# Altium PCB PCB6.PcbDoc (part 2 of 2)
Units mm, origin at the board's own origin, x right, y up, seen from the top; angles counter-clockwise.
Board outline 80 x 125 mm, 4 copper layers (Top Layer, Ground, Power, Bottom Layer), stack 0.603 mm thick; 118 components, 92 nets, 471 pads, 436 vias.
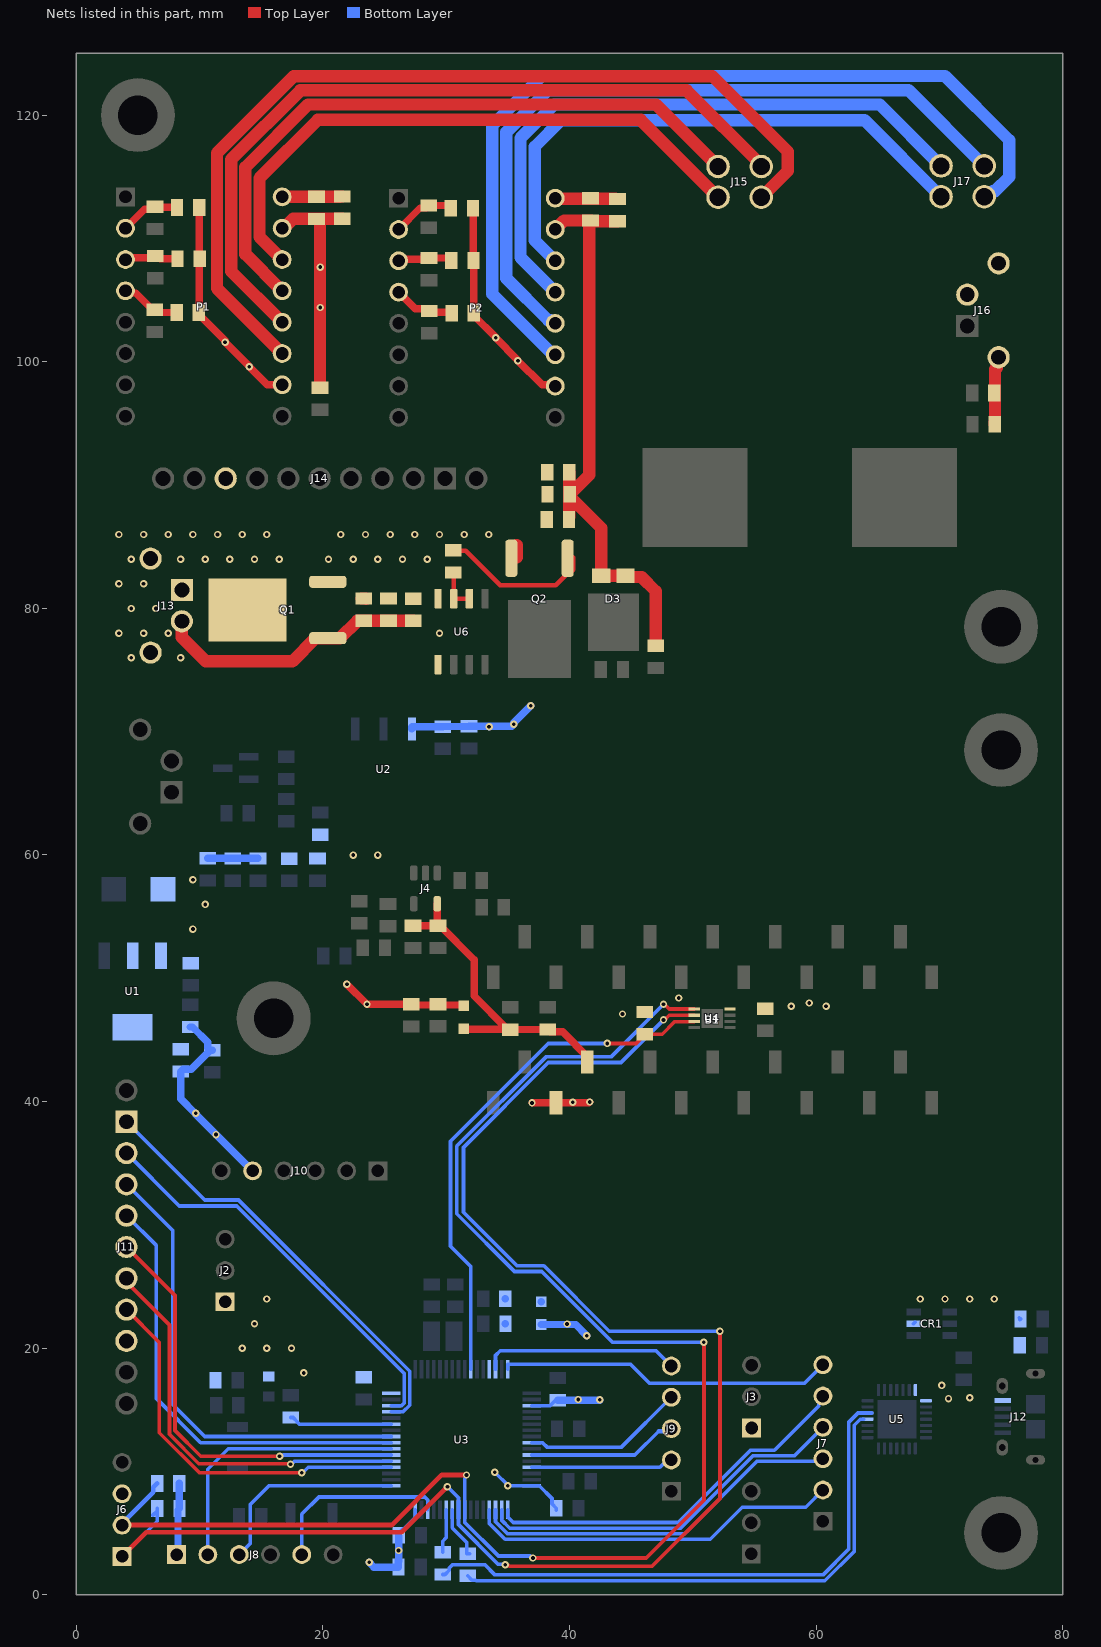
[diagram p4: the nets of this part, all layers, seen from the top]

## Via types
v1: diameter 0.6, hole 0.3, Top Layer to Bottom Layer, 436 vias

## Nets (pads, with @x,y where several pads share a name; then routed paths per layer and width w, separated by ;. In a path a pad name is that pad's centre, name@x,y a point inside that pad or via, vN(x,y) a via of type N, cw(c..) or ccw(c..) an arc to the next point about the centre after c; other vN are vias at no path point) (continued)
NetJ6_01: J6.01 R12.1 U3.41 U4.2 | length 129.4
  Top Layer w0.3: v1(34.798,2.413) 34.855,2.356 35.068,2.356 35.112,2.311 46.711,2.311 52.197,7.798 v1(52.197,21.361) ; v1(47.624,46.611) 47.705,46.611 48.079,46.985 U4.2@50.12,46.985
  Top Layer w0.381: J6.01@3.708,3.099 5.665,5.056 26.397,5.056 v1(30.099,8.758)
  Bottom Layer w0.3: J6.01@3.708,3.099 6.568,5.958 R12.1@6.568,6.81 ; R12.1@6.218,6.46 R12.1@6.568,6.81 ; R12.1@6.568,6.985 R12.1@6.568,6.81 ; v1(30.099,8.758) 30.992,7.865 U3.41@30.992,6.873 30.992,5.681 34.203,2.47 34.741,2.47 v1(34.798,2.413) ; v1(47.624,46.611) 44.168,43.155 38.278,43.155 31.394,36.271 31.394,31.013 35.738,26.67 37.922,26.67 43.231,21.361 v1(52.197,21.361)
NetJ6_02: J6.02 R11.1 U3.40 U4.1 | length 127.5
  Top Layer w0.3: v1(37.033,2.972) 46.228,2.972 50.902,7.645 50.902,20.447 v1(50.876,20.472) ; v1(47.624,47.879) 47.705,47.879 48.093,47.492 50.114,47.492 U4.1@50.12,47.485
  Top Layer w0.381: J6.02@3.708,5.639 25.578,5.639 29.642,9.703 v1(31.648,9.703) ; J6.02@3.708,5.893 J6.02@3.744,5.858
  Bottom Layer w0.3: U3.40@31.492,6.873 31.492,5.867 34.235,3.124 36.8,3.124 36.952,2.972 v1(37.033,2.972) ; U3.40@31.492,6.883 31.492,9.465 31.648,9.622 v1(31.648,9.703) ; v1(47.624,47.879) 43.356,43.612 38.099,43.612 30.861,36.374 30.861,30.886 35.535,26.213 37.743,26.213 43.483,20.472 v1(50.876,20.472)
  Bottom Layer w0.381: J6.02@3.708,5.639 3.708,5.782 6.247,8.321 6.247,8.707 R11.1@6.557,9.017
NetJ7_02: J7.02 U3.36 | length 30.4
  Bottom Layer w0.3: U3.36@33.492,6.873 33.492,5.776 34.776,4.492 51.406,4.492 54,7.087 59.157,7.087 J7.02@60.608,8.538
NetJ7_03: J7.03 U3.35 | length 30.4
  Bottom Layer w0.3: U3.35@33.992,6.873 33.992,5.912 34.962,4.942 49.341,4.942 55.209,10.809 60.416,10.809 J7.03@60.554,10.947
NetJ7_04: J7.04 U3.34 | length 30.6
  Bottom Layer w0.3: U3.34@34.492,6.873 34.492,6.049 35.149,5.392 49.005,5.392 54.873,11.259 58.249,11.259 J7.04@60.616,13.626
NetJ7_05: J7.05 U3.33 | length 30.9
  Bottom Layer w0.3: U3.33@34.992,6.873 34.992,6.273 35.002,6.273 35.433,5.842 48.819,5.842 54.686,11.709 56.617,11.709 60.225,15.318 60.225,15.444 60.554,15.772 J7.05@60.554,16.104
NetJ7_06: J7.06 U3.16 | length 27.5
  Bottom Layer w0.3: U3.16@34.992,18.273 34.992,18.694 44.933,18.694 46.482,17.145 59.055,17.145 J7.06@60.702,18.792
NetJ8_02: J8.02 U3.55 | length 22.5
  Bottom Layer w0.3: J8.02@10.668,3.251 10.668,10.16 12.331,11.823 U3.55@25.542,11.823
NetJ8_03: J8.03 U3.49 | length 16.5
  Bottom Layer w0.3: J8.03@13.208,3.251 14.097,4.14 14.097,6.337 14.095,6.338 14.095,7.288 15.63,8.823 U3.49@25.542,8.823
NetJ8_05: J8.05 U3.46 | length 15
  Bottom Layer w0.3: J8.05@18.288,3.251 18.288,6.528 19.683,7.923 28.266,7.923 28.492,7.697 U3.46@28.492,6.873
NetJ9_02: J9.02 U3.29 | length 11.6
  Bottom Layer w0.3: U3.29@36.942,10.323 47.33,10.323 47.929,10.922 J9.02@48.26,10.922
NetJ9_03: J9.03 U3.27 | length 12.2
  Bottom Layer w0.3: U3.27@36.942,11.323 45.295,11.323 47.231,13.259
  Bottom Layer w0.381: 47.231,13.259 48.057,13.259 J9.03@48.26,13.462
NetJ9_04: J9.04 U3.25 | length 13.1
  Bottom Layer w0.3: U3.25@36.942,12.323 37.818,12.323 38.177,11.964 44.222,11.964 J9.04@48.26,16.002
NetJ9_05: J9.05 U3.14 | length 16.1
  Bottom Layer w0.3: U3.14@33.992,18.273 33.992,19.387 34.392,19.787 47.015,19.787 J9.05@48.26,18.542
NetJ11_1: J11.1 U3.61 | length 35.8
  Bottom Layer w0.3: J11.1@4.064,38.354 10.414,32.004 13.157,32.004 27.042,18.119 27.042,15.362 26.503,14.823 U3.61@25.542,14.823
NetJ11_2: J11.2 U3.62 | length 33.5
  Bottom Layer w0.3: J11.2@4.064,35.814 8.357,31.521 13.003,31.521 26.592,17.933 26.592,15.549 26.366,15.323 U3.62@25.542,15.323
NetJ11_3: J11.3 U3.57 | length 38.2
  Bottom Layer w0.3: J11.3@4.064,33.274 7.833,29.505 7.833,15.408 10.418,12.823 U3.57@25.542,12.823
NetJ11_4: J11.4 U3.56 | length 36.4
  Bottom Layer w0.3: J11.4@4.064,30.734 6.494,28.304 6.494,15.909 10.08,12.323 U3.56@25.542,12.323
NetJ11_5: J11.5 U3.54 | length 35
  Top Layer w0.3: J11.5@4.064,28.194 8.001,24.257 8.001,13.31 10.088,11.223 v1(16.485,11.223)
  Bottom Layer w0.3: v1(16.485,11.223) 16.542,11.28 16.754,11.28 16.797,11.323 U3.54@25.542,11.323
NetJ11_6: J11.6 U3.53 | length 33.2
  Top Layer w0.3: J11.6@4.064,25.654 4.064,25.355 7.551,21.868 7.551,12.998 9.926,10.623 17.317,10.623 v1(17.374,10.566)
  Bottom Layer w0.3: v1(17.374,10.566) 17.443,10.566 17.699,10.823 U3.53@25.542,10.823
NetJ11_7: J11.7 U3.52 | length 31.4
  Top Layer w0.3: J11.7@4.064,23.114 6.731,20.447 6.731,13.132 9.982,9.881 v1(18.288,9.881)
  Bottom Layer w0.3: v1(18.288,9.881) 18.369,9.881 18.812,10.323 U3.52@25.542,10.323
NetJ13_1: J13.1 Q1.4
  other v1: 4.455,75.979 8.455,75.979 3.455,77.979 5.455,77.979 7.455,77.979 4.455,79.979 6.455,79.979 3.455,81.979 5.455,81.979 4.455,83.979 8.455,83.979 10.455,83.979 12.455,83.979 14.455,83.979 16.455,83.979 3.455,85.979 5.455,85.979 7.455,85.979 9.455,85.979 11.455,85.979 13.455,85.979 15.455,85.979
NetJ15_1: J15.1 P1.11 | length 74.5
  Top Layer w1: P1.11@16.688,100.66 11.409,105.939 11.409,116.921 17.642,123.153 51.573,123.153 57.709,117.018 57.709,115.483 J15.1@55.55,113.324
NetJ15_2: J15.2 P1.14 | length 49.1
  Top Layer w1: P1.14@16.688,108.28 14.859,110.109 14.859,114.884 19.583,119.609 45.765,119.609 J15.2@52.05,113.324
NetJ15_3: J15.3 P1.12 | length 62.8
  Top Layer w1: P1.12@16.688,103.2 12.559,107.329 12.559,116.394 18.168,122.003 49.498,122.003 J15.3@55.613,115.887
NetJ15_4: J15.4 P1.13 | length 53.8
  Top Layer w1: P1.13@16.688,105.74 13.709,108.719 13.709,115.766 18.796,120.853 47.021,120.853 J15.4@52.05,115.824
NetJ17_1: J17.1 P2.11 | length 72.2
  Bottom Layer w1: P2.11@38.786,100.468 38.433,100.821 38.397,100.821 33.731,105.486 33.731,119.151 37.751,123.172 70.453,123.172 75.667,117.958 75.667,114.986 74.508,113.827 74.332,113.827 73.879,113.375 J17.1@73.635,113.375
NetJ17_2: J17.2 P2.14 | length 46.4
  Bottom Layer w1: P2.14@38.837,108.179 37.181,109.834 37.181,117.431 39.333,119.583 63.926,119.583 J17.2@70.135,113.375
NetJ17_3: J17.3 P2.12 | length 59.8
  Bottom Layer w1: P2.12@38.595,103.199 38.433,103.361 38.27,103.361 34.881,106.749 34.881,118.625 38.278,122.022 67.488,122.022 J17.3@73.635,115.875
NetJ17_4: J17.4 P2.13 | length 50.9
  Bottom Layer w1: P2.13@38.837,105.639 36.031,108.444 36.031,118.124 38.76,120.853 65.156,120.853 J17.4@70.135,115.875
NetP1_2: P1.2 R17.2 R25.1 | length 5.4
  Top Layer w0.6: P1.2@4.238,110.82 P1.2@3.988,110.82 5.526,112.358 6.175,112.358 R17.2@6.375,112.558 6.406,112.527 8.137,112.527 R25.1@8.168,112.497 R25.1@7.992,112.32
NetP1_3: P1.3 R18.2 R26.1 | length 4.5
  Top Layer w0.6: P1.3@3.988,108.28 P1.3@4.133,108.425 ; P1.3@4.165,108.457 P1.3@4.133,108.425 ; R26.1@8.204,108.356 6.79,108.356 6.576,108.571 R18.2@6.401,108.571 6.256,108.425 P1.3@4.133,108.425
NetP1_4: P1.4 R19.2 R27.1 | length 4.9
  Top Layer w0.6: P1.4@3.988,105.74 4.165,105.563 4.813,105.563 6.175,104.202 R19.2@6.35,104.202 6.525,104.202 6.739,103.988 R27.1@8.142,103.988
NetP2_2: P2.2 R21.2 R28.1 | length 5.3
  Top Layer w0.381: P2.2@26.137,110.719 P2.2@26.264,110.592
  Top Layer w0.6: P2.2@26.137,110.719 27.878,112.46 28.375,112.46 R21.2@28.575,112.66 30.178,112.66 30.378,112.46 R28.1@30.378,112.446
NetP2_3: P2.3 R22.2 R29.1 | length 5.4
  Top Layer w0.381: R22.2@28.116,108.717 R22.2@28.118,108.715 ; R22.2@28.118,108.715 28.118,108.693 28.414,108.396 28.425,108.407 R22.2@28.118,108.715
  Top Layer w0.6: P2.3@26.137,108.179 26.251,108.293 28.486,108.293 R22.2@28.6,108.407 30.218,108.407 30.418,108.207 R29.1@30.418,108.204
NetP2_4: P2.4 R23.2 R30.1 | length 5
  Top Layer w0.6: P2.4@26.137,105.639 27.475,104.3 28.426,104.3 R23.2@28.626,104.1 28.72,104.006 30.349,104.006 R30.1@30.444,103.911
NetQ2_1: Q2.1 R20.2 | length 12.4
  Top Layer w0.381: R20.2@30.556,84.695 30.6,84.651 31.58,84.651 34.366,81.864 38.887,81.864 39.863,82.84 39.994,82.84 40.284,83.13 Q2.1@40.284,84.127
NetR1_1: R1.1 U1.2 U1.4
NetR9_1: R9.1 U3.10 U4.3 | length 42.8
  Top Layer w0.3: v1(43.053,44.704) 45.385,44.704 R9.1@46.016,45.335 ; R9.1@46.101,45.455 47.512,45.455 48.52,46.462 U4.3@50.12,46.462
  Bottom Layer w0.3: U3.10@31.992,18.273 31.992,26.606 30.353,28.245 30.353,36.779 38.278,44.704 v1(43.053,44.704)
NetR13_1: R13.1 U3.59 | length 8.4
  Bottom Layer w0.3: R13.1@17.399,14.365 17.574,14.365 17.924,14.015 17.924,13.999 18.1,13.823 U3.59@25.542,13.823
NetR14_1: R14.1 U5.26 | length 47
  Bottom Layer w0.3: R14.1@29.718,1.629 29.893,1.629 30.243,1.979 30.243,2.154 30.502,2.413 33.147,2.413 33.96,1.6 60.554,1.6 62.636,3.683 62.636,13.97 63.39,14.724 U5.26@64.523,14.724
NetR14_2: R14.2 U3.43 | length 3.6
  Bottom Layer w0.3: R14.2@29.718,3.429 29.718,4.329 29.992,4.603 U3.43@29.992,6.873
NetR15_1: R15.1 U3.42 | length 4.3
  Bottom Layer w0.3: U3.42@30.492,6.873 30.492,5.412 31.671,4.233 31.671,3.313 R15.1@31.914,3.313
NetR15_2: R15.2 U5.25 | length 43.7
  Bottom Layer w0.3: R15.2@31.75,1.524 32.1,1.174 32.394,1.174 32.451,1.118 60.707,1.118 63.086,3.497 63.086,13.734 63.576,14.224 U5.25@63.843,14.224
NetR20_1: R20.1 U6.6 U6.7 | length 3.4
  Top Layer w0.381: R20.1@30.556,82.895 30.607,82.844 U6.7@30.607,80.775 U6.6@31.877,80.775
PGND2: C36.1 C37.1 C38.1 C39.2 C40.2 C41.1 C42.1 C43.1 C44.1 C45.1 C46.2 C47.2 D3.1 D3.2 J13.2 J13.MH1 J13.MH2 J16.2 J16.MH1 J16.MH2 P1.15 P2.15 Q1.1 R16.2 R31.1 | length 95.9
  Top Layer w1: J13.2@8.56,78.943 8.56,77.636 10.503,75.692 17.522,75.692 19.402,77.572 Q1.1@20.397,77.572 21.392,77.572 22.792,78.972 C36.1@27.33,78.972 ; P1.15@16.688,110.82 16.83,110.82 17.606,111.597 C39.2@19.585,111.597 ; R16.2@19.761,97.892 19.761,111.421 C39.2@19.585,111.597 ; C40.2@21.565,111.597 C39.2@19.585,111.597 ; P2.15@38.837,110.719 39.562,111.444 C46.2@41.707,111.444 ; C41.1@39.954,87.198 39.954,87.373 39.991,87.41 C43.1@39.991,91.034 ; C46.2@41.605,111.419 41.605,90.819 C42.1@40.016,89.23 40.016,89.055 42.57,86.501 D3.1@42.57,82.626 D3.2@44.54,82.626 44.64,82.526 45.845,82.526 46.99,81.382 R31.1@46.99,76.948 ; C46.2@41.758,111.444 41.758,111.393 C47.2@43.891,111.393 ; C45.1@74.484,94.92 74.484,95.095 74.505,95.116 74.505,99.372 74.65,99.517 74.65,100.202 J16.MH1@74.803,100.355
  other v1: 19.787,104.394 19.787,107.671
VBB2: C36.2 C37.2 C38.2 C39.1 C40.1 C41.2 C42.2 C43.2 C46.1 C47.1 P1.16 P2.16 Q1.3 Q2.3 U6.1 U6.8 | length 11.3
  Top Layer w1: P1.16@16.688,113.36 21.353,113.36 21.39,113.397 C40.1@21.565,113.397 ; C38.2@23.142,80.783 C38.2@23.317,80.783 23.492,80.783 C38.2@23.5,80.775 ; Q2.3@35.697,84.595 Q2.3@35.712,84.58 ; Q2.3@35.712,84.127 Q2.3@35.712,84.58 ; Q2.3@35.712,85.122 Q2.3@35.712,84.58 ; P2.16@38.837,113.207 43.702,113.207 43.716,113.193 C47.1@43.891,113.193
  other v1: 29.455,77.979 20.455,83.979 22.455,83.979 24.455,83.979 26.455,83.979 28.455,83.979 21.455,85.979 23.455,85.979 25.455,85.979 27.455,85.979 29.455,85.979 31.455,85.979 33.455,85.979
VCC: C1.2 C2.2 C3.2 C4.2 C7.2 C8.2 U1.3 U2.3 U7.1 | length 14.7
  Bottom Layer w0.6: C1.2@10.668,59.712 10.673,59.706 14.726,59.706 C3.2@14.732,59.701 ; U2.3@27.216,70.206 27.216,70.364 27.246,70.394 C7.2@29.718,70.394 29.731,70.407 31.839,70.407 C8.2@31.852,70.42 v1@33.477,70.42 ; v1(33.477,70.383) 33.514,70.42 35.317,70.42 v1(35.484,70.587) 35.484,70.714 v1(36.855,72.085)
  other v1: 9.455,53.979 10.455,55.979 9.455,57.979
VDD: C5.2 C6.2 C17.1 C18.1 C19.1 C20.1 C21.1 C31.2 D2.A FL1.2 J2.01 J3.01 J6.03 J8.01 J10.05 J11.8 R1.2 R9.2 R10.2 R11.2 R12.2 U3.19 U3.32 U3.48 U3.64 U4.8 | length 46.6
  Top Layer w0.3: C31.2@55.845,47.485 C31.2@55.88,47.52
  Top Layer w0.6: C31.2@55.88,47.52 C31.2@55.902,47.498
  Bottom Layer w0.3: C18.1@26.151,4.826 26.151,5.001 26.501,5.351 26.57,5.351 27.492,6.273 U3.48@27.492,6.873 ; v1(33.934,9.931) 35.043,8.823 U3.32@36.942,8.823 37.542,8.823 38.577,7.788 38.577,7.36 C19.1@38.927,7.01 C19.1@38.927,6.835 ; U3.19@36.942,15.323 38.425,15.323 38.865,15.762 C20.1@39.04,15.762
  Bottom Layer w0.6: J8.01@8.128,3.251 8.248,3.371 8.248,6.865 R12.2@8.368,6.985 8.362,6.99 8.362,9.012 R11.2@8.357,9.017 ; C6.2@9.246,46.039 9.421,46.039 10.649,44.811 10.649,44.356 C5.2@10.849,44.156 ; C5.2@11.024,44.156 C5.2@10.849,44.156 ; J10.05@14.3,34.366 14.275,34.366 9.677,38.964 v1(9.677,39.04) 9.627,39.04 8.458,40.208 R1.2@8.458,42.421 8.658,42.621 9.314,42.621 C5.2@10.849,44.156 ; v1(23.749,2.616) 24.13,2.235 C17.1@26.126,2.235 v1(26.137,3.581) 26.142,4.451 C18.1@26.151,4.826 ; C17.1@26.151,2.707 C17.1@26.151,2.794 ; FL1.2@37.719,21.905 40.503,21.905 v1(41.402,21.006) ; C20.1@39.04,15.762 v1@42.443,15.762
  other v1: 35.001,8.839 42.443,15.799 40.716,15.824 18.455,17.979 13.455,19.979 15.455,19.979 17.455,19.979 39.802,21.946 14.455,21.979 15.455,23.979 11.328,37.313 44.298,47.092 57.988,47.727 60.808,47.727 59.455,47.979 48.87,48.387
VDD2: J14.8 P1.10 P2.10 R25.2 R26.2 R27.2 R28.2 R29.2 R30.2 | length 35.5
  Top Layer w0.6: R26.2@9.955,108.877 9.955,103.8 12.065,101.69 v1(12.065,101.575) 14.021,99.619 v1(14.021,99.593) 15.494,98.12 P1.10@16.688,98.12 ; R26.2@9.968,109.017 R25.2@9.968,112.497 ; R28.2@32.178,112.446 32.198,112.426 32.198,108.224 R29.2@32.218,108.204 32.231,108.191 32.231,103.924 R30.2@32.244,103.911 32.244,103.736 34.011,101.969 v1(34.011,101.93) 35.814,100.127 v1(35.814,100.076) 37.779,98.111 38.744,98.111 P2.10@38.837,98.019
VDDA: C22.1 C23.1 FL1.1 U3.13 | length 0.2
  Bottom Layer w0.3: C22.1@34.809,21.796 C22.1@34.809,21.971
  Bottom Layer w0.6: C23.1@34.798,24.003 C23.1@34.804,23.997 ; C22.1@34.804,21.976 C22.1@34.809,21.971 ; FL1.1@37.719,23.764 FL1.1@37.719,23.768
VTCD: B1.1 C10.2 C11.2 C24.2 C25.1 FL2.2 R3.2 | length 14.9
  Top Layer w0.6: v1(21.946,49.505) v1(23.571,47.879) C25.1@27.178,47.879 27.234,47.823 31.364,47.823 FL2.2@31.42,47.767 ; v1(36.957,39.878) 36.977,39.898 B1.1@38.906,39.898 41.575,39.898 v1(41.631,39.954)
  other v1: 40.259,39.929 22.455,59.979 24.455,59.979
VTCDA: B1.2 C26.1 C27.1 C29.1 C30.1 FL2.1 J4.5 | length 26.3
  Top Layer w0.6: C30.1@27.305,54.24 C29.1@29.337,54.24 ; J4.5@29.271,56.032 29.271,54.306 C29.1@29.337,54.24 ; FL2.1@31.42,45.908 31.461,45.867 C27.1@34.962,45.867 ; C26.1@38.212,45.821 C26.1@38.222,45.831 ; B1.2@41.446,43.198 41.446,43.638 39.448,45.636 38.427,45.636 C26.1@38.232,45.831 ; C29.1@29.337,54.24 29.512,54.24 32.258,51.494 32.258,48.571 C27.1@34.962,45.867 ; C27.1@34.962,45.867 35.004,45.825 C27.1@35.179,45.825 ; C27.1@34.962,45.867 35.137,45.867 C27.1@35.179,45.825 ; C27.1@35.179,45.825 35.184,45.831 C26.1@38.222,45.831 ; C26.1@38.222,45.831 C26.1@38.227,45.836 C26.1@38.232,45.831 ; C26.1@38.222,45.831 C26.1@38.232,45.831
VUSB: C33.2 C34.2 CR1.5 J12.1 U5.7 U5.8 | length 0.4
  Bottom Layer w0.3: CR1.5@67.905,21.971 CR1.5@68.034,22.1 ; C34.2@76.47,22.452 C34.2@76.57,22.352 C34.2@76.519,22.301
  other v1: 70.739,15.9 72.455,15.979 70.18,16.967 68.455,23.979 70.455,23.979 72.455,23.979 74.455,23.979
pads on no net: D1.2 J12.4 U3.1 U3.2 U3.3 U3.4 U3.8 U3.9 U3.11 U3.23 U3.24 U3.39 U3.44 U3.45 U3.50 U3.51 U5.1 U5.2 U5.9 U5.10 U5.11 U5.12 U5.13 U5.14 U5.15 U5.16 U5.17 U5.18 U5.19 U5.20 U5.21 U5.22 U5.23 U5.24 U5.27 U5.28 U6.3

## Polygon pours and split planes (outlines as drawn)
GND2 on Bottom Layer "GND2_L04_P026" (solid, remove dead copper, pour order 26): 0,73.482 79.934,73.482 79.985,73.431 79.985,125.019 0.102,125.019 0,124.917
GND on Bottom Layer "GND_L04_P024" (solid, remove dead copper, pour order 24): 0,-0.025 0.051,0.025 80.035,0.025 80.035,73.381 79.934,73.482 0,73.482
VDDA on Bottom Layer "VDDA_L04_P015" (solid, remove dead copper, pour order 15): 33.223,25.171 33.223,17.45 33.743,17.45 33.743,20.549 37.084,20.549 37.084,23.292 39.472,23.292 39.472,25.832 33.884,25.832
NetR1_1 on Bottom Layer "NETR1_1_L04_P014" (solid, remove dead copper, pour order 14): 1.372,54.026 5.867,54.026 5.867,50.114 8.204,50.114 8.204,45.187 9.881,45.187 9.881,43.205 1.372,43.205 1.372,49.2
VUSB on Bottom Layer "VUSB_L04_P021" (solid, remove dead copper, pour order 21): 66.98,22.403 66.98,21.488 67.005,21.463 69.139,21.463 69.139,23.089 69.698,23.647 74.651,23.647 74.651,20.498 76.175,18.974 77.648,18.974 77.648,24.333 76.81,25.171 68.529,25.171 67.031,23.673
VUSB on Bottom Layer "VUSB_L04_P020" (solid, remove dead copper, pour order 20): 72.873,16.586 75.962,16.586 75.962,15.265 71.704,15.265 68.25,15.265 68.25,15.926 68.224,15.951 67.793,15.951 67.793,17.805 71.171,17.805 71.171,16.586
AGND on Bottom Layer "AGND_L04_P002" (solid, remove dead copper, pour order 2): 17.259,30.886 17.361,30.785 21.577,30.785 21.577,33.706 21.603,33.731 21.653,33.68 22.974,33.68 28.48,39.186 28.316,52.934 21.069,52.934 21.069,38.176 17.239,34.346 17.239,32.048
VDD on Bottom Layer "VDD_L04_P016" (solid, remove dead copper, pour order 16): 10.211,25.07 18.263,25.07 26.391,16.942 26.391,16.205 10.211,16.205
VCC on Bottom Layer "VCC_L04_P010" (solid, remove dead copper, pour order 10): 5.994,60.731 5.994,50.368 10.82,50.368 10.82,55.956 11.049,56.185 15.697,56.185 15.697,60.376 15.342,60.731
NetD1_3 on Bottom Layer "NETD1_3_L04_P011" (solid, remove dead copper, pour order 11): 13.31,62.205 13.31,68.25 17.978,68.25 19.586,69.858 19.595,69.85 21.091,69.85 21.091,65.557 18.925,65.557 18.925,62.635 18.925,62.118 27.28,62.118 27.28,72.746 10.16,72.746 10.16,62.205
AGND on Bottom Layer "AGND_L04_P001" (solid, remove dead copper, pour order 1): 42.037,15.323 42.037,12.141 30.963,12.141 30.963,15.323
VTCD on Bottom Layer "VTCD_L04_P013" (solid, remove dead copper, pour order 13): 18.872,62.306 18.898,62.281 27.229,62.281 27.229,60.02 27.229,58.877 21.107,58.877 20.93,58.699 20.904,58.725 16.231,58.725 16.205,62.281 16.205,61.443 17.043,62.281 18.868,62.281
NetJ1_2 on Bottom Layer "NETJ1_2_L04_P009" (solid, remove dead copper, pour order 9): 0.918,70.155 9.068,70.155 9.068,64.897 5.639,64.897 5.639,55.347 0.965,55.347
NetJ13_1 on Bottom Layer "NETJ13_1_L04_P008" (solid, remove dead copper, pour order 8): 0.889,88.544 0.94,88.494 0.94,74.27 18.212,74.27 18.44,74.041 18.466,74.066 18.466,88.595
NetC48_2 on Bottom Layer "NETC48_2_L04_P005" (solid, pour order 5): 60.3,109.652 60.3,74.016 60.325,73.99 60.198,73.863 34.392,73.863 34.392,81.458 35.001,82.067 39.903,82.067 39.903,109.656 44.323,109.677
GND2 on Top Layer "GND2_L01_P025" (solid, remove dead copper, pour order 25): 0,73.482 79.934,73.482 79.985,73.431 79.985,125.019 0.102,125.019 0,124.917
GND on Top Layer "GND_L01_P022" (solid, remove dead copper, pour order 22): 0,-0.025 0.051,0.025 80.035,0.025 80.035,73.381 79.934,73.482 0,73.482
AGND on Top Layer "AGND_L01_P004" (solid, remove dead copper, pour order 4): 21.107,58.725 21.107,39.04 17.247,35.179 17.247,23.038 28.143,12.141 42.037,12.141 42.037,15.088 30.124,15.088 21.59,23.724 21.768,35.865 25.222,35.865 28.092,38.735 28.143,38.684 37.694,38.684 37.694,37.211 50.038,37.211 53.34,37.211 79.578,37.211 79.578,56.337 37.296,56.337 34.315,59.318 34.315,60.63 25.298,60.63 25.298,58.725 22.657,58.725
NetC48_2 on Top Layer "NETC48_2_L01_P007" (solid, remove dead copper, pour order 7): 34.468,73.508 60.427,73.72 60.427,83.337 60.427,109.703 44.755,109.703 44.755,107.975 44.755,106.553 44.755,82.245 48.006,82.245 48.006,81.382 48.006,80.086 42.012,80.086 42.012,81.382 34.415,81.382
NetC44_2 on Top Layer "NETC44_2_L01_P006" (solid, remove dead copper, pour order 6): 80.034,109.677 60.655,109.677 60.655,105.004 60.655,73.7 65.862,73.7 70.282,73.685 79.985,73.685
GND on Top Layer "GND_L01_P000" (solid, remove dead copper, pour order 0): 61.468,46.965 54.534,46.965 54.534,47.168 52.466,47.168 52.466,47.574 50.648,47.574 50.648,46.228 48.311,46.228 48.311,44.018 61.468,44.018
VDD on Top Layer "VDD_L01_P003" (solid, remove dead copper, pour order 3): 61.468,46.965 61.468,49.073 43.648,49.073 43.648,46.431 43.693,46.386 47.356,46.386 47.356,47.625 52.466,47.625 52.466,46.965
NetJ13_1 on Top Layer "NETJ13_1_L01_P017" (solid, remove dead copper, pour order 17): 11.836,86.843 18.136,86.843 18.136,76.505 16.84,75.209 2.438,75.209 2.438,86.843 11.811,86.843
VBB2 on Top Layer "VBB2_L01_P019" (solid, remove dead copper, pour order 19): 28.269,74.168 30.175,74.168 30.175,81.712 30.175,81.89 30.175,82.067 38.43,82.067 39.218,82.855 39.218,92.608 34.214,92.608 34.214,87.325 18.593,87.325 18.593,79.832 28.269,79.832
VBB2 on Power (split plane): 79.49,110.258 60.579,110.258 60.52,110.252 60.464,110.235 60.412,110.207 60.366,110.17 60.328,110.124 60.3,110.072 60.283,110.015 60.278,109.957 60.278,105.435 60.278,83.261 60.278,74.252 17.249,74.252 17.968,74.971 18.005,75.017 18.033,75.069 18.05,75.125 18.056,75.184 18.056,80.467 18.056,87.249 18.05,87.308 18.033,87.364 18.005,87.416 17.968,87.462 17.187,88.243 34.138,88.243 34.196,88.249 34.253,88.266 34.305,88.294 34.351,88.331 40.879,94.859 40.916,94.905 40.944,94.957 40.961,95.013 40.967,95.072 40.967,107.95 40.961,108.009 40.944,108.065 40.916,108.117 40.879,108.163 34.198,114.843 34.153,114.881 34.101,114.909 34.044,114.926 33.985,114.932 30.683,114.932 30.624,114.926 30.568,114.909 30.516,114.881 30.47,114.843 25.072,109.445 15.289,109.445 9.84,114.894 9.794,114.932 9.742,114.96 9.685,114.977 9.627,114.982 0.51,114.982 0.51,124.49 79.49,124.49
NetC44_2 on Power (split plane): 79.49,74.252 60.88,74.252 60.88,83.261 60.88,105.435 60.88,109.655 79.49,109.655
VUSB on Power (split plane): 79.49,0.51 64.843,0.51 64.843,22.126 68.883,26.165 79.49,26.165
VTCD on Power (split plane): 25.886,70.436 25.886,68.553 25.892,68.494 25.909,68.438 25.937,68.385 25.974,68.34 34.192,60.122 34.192,59.901 34.196,59.861 34.198,59.821 34.283,59.288 34.293,59.249 34.301,59.21 34.468,58.697 34.484,58.66 34.499,58.623 34.743,58.142 34.765,58.109 34.785,58.074 35.102,57.638 35.129,57.608 35.154,57.577 35.536,57.195 35.567,57.17 35.597,57.143 36.033,56.826 36.068,56.806 36.101,56.784 36.582,56.539 36.619,56.525 36.656,56.509 37.169,56.342 37.208,56.333 37.247,56.323 37.779,56.239 37.819,56.236 37.859,56.232 38.128,56.232 38.129,56.232 38.13,56.232 43.006,56.232 43.006,40.384 41.404,38.782 30.859,38.782 20.508,49.134 17.892,51.75 17.846,51.787 17.794,51.815 17.737,51.832 17.678,51.838 16.303,51.838 16.303,60.325 16.298,60.384 16.281,60.44 16.253,60.492 16.215,60.538 15.453,61.3 15.407,61.338 15.355,61.366 15.299,61.383 15.24,61.388 11.809,61.388 10.207,62.99 10.207,70.284 11.377,71.454 24.869,71.454
VDD2 on Power (split plane): 14.951,108.931 14.996,108.893 15.048,108.865 15.105,108.848 15.164,108.842 25.197,108.842 25.256,108.848 25.312,108.865 25.364,108.893 25.41,108.931 30.808,114.329 33.86,114.329 40.364,107.825 40.364,95.197 34.013,88.846 0.51,88.846 0.51,114.38 9.502,114.38
NetJ13_1 on Power (split plane): 17.453,87.124 17.453,80.467 17.453,75.309 16.397,74.252 0.51,74.252 0.51,88.243 16.334,88.243
VDD on Power (split plane): 79.49,37.238 38.13,37.238 37.86,37.238 37.82,37.234 37.78,37.232 37.248,37.147 37.209,37.137 37.17,37.128 36.657,36.962 36.62,36.946 36.583,36.931 36.102,36.686 36.068,36.665 36.034,36.644 35.597,36.327 35.567,36.301 35.536,36.275 35.155,35.894 35.129,35.863 35.103,35.833 34.786,35.396 34.765,35.362 34.744,35.328 34.499,34.847 34.484,34.81 34.468,34.773 34.302,34.26 34.293,34.221 34.283,34.182 34.198,33.65 34.196,33.61 34.192,33.57 34.192,33.03 34.196,32.99 34.198,32.95 34.283,32.418 34.293,32.379 34.302,32.34 34.468,31.827 34.484,31.79 34.499,31.753 34.744,31.272 34.765,31.238 34.786,31.204 35.103,30.767 35.129,30.737 35.155,30.706 35.536,30.325 35.567,30.299 35.597,30.273 36.034,29.956 36.068,29.935 36.102,29.914 36.583,29.669 36.62,29.654 36.657,29.638 37.17,29.472 37.209,29.463 37.248,29.453 37.78,29.368 37.82,29.366 37.86,29.362 79.49,29.362 79.49,26.768 68.758,26.768 68.699,26.762 68.642,26.745 68.59,26.717 68.545,26.68 64.328,22.464 64.291,22.418 64.263,22.366 64.246,22.309 64.24,22.25 64.24,0.51 0.51,0.51 0.51,47.679 11.1,47.679 11.159,47.685 11.215,47.702 11.267,47.73 11.313,47.767 14.781,51.235 17.554,51.235 20.081,48.707 30.521,38.268 30.567,38.23 30.619,38.202 30.675,38.185 30.734,38.18 41.529,38.18 41.588,38.185 41.644,38.202 41.696,38.23 41.742,38.268 43.52,40.046 43.558,40.092 43.586,40.144 43.603,40.2 43.608,40.259 43.608,56.232 79.49,56.232
VCC on Power (split plane): 79.49,64.108 37.86,64.108 37.82,64.104 37.78,64.102 37.248,64.017 37.209,64.007 37.17,63.998 36.657,63.832 36.62,63.816 36.583,63.801 36.102,63.556 36.068,63.535 36.034,63.514 35.597,63.197 35.567,63.171 35.536,63.145 35.155,62.764 35.13,62.733 35.103,62.703 34.786,62.267 34.766,62.232 34.744,62.198 34.499,61.718 34.484,61.68 34.468,61.644 34.302,61.131 34.293,61.092 34.283,61.053 34.26,60.907 26.489,68.678 26.489,70.561 26.483,70.62 26.466,70.677 26.438,70.729 26.401,70.774 25.207,71.968 25.161,72.006 25.109,72.034 25.052,72.051 24.994,72.056 11.252,72.056 11.193,72.051 11.137,72.034 11.085,72.006 11.039,71.968 9.693,70.622 9.655,70.576 9.627,70.524 9.61,70.468 9.605,70.409 9.605,62.865 9.61,62.806 9.627,62.75 9.655,62.698 9.693,62.652 11.471,60.874 11.517,60.836 11.569,60.808 11.625,60.791 11.684,60.786 15.115,60.786 15.701,60.2 15.701,51.838 14.656,51.838 14.597,51.832 14.54,51.815 14.488,51.787 14.443,51.75 10.975,48.282 0.51,48.282 0.51,72.748 15.442,72.748 15.468,72.734 15.524,72.717 15.583,72.711 15.642,72.717 15.698,72.734 15.724,72.748 79.49,72.748
GND2 on Ground (split plane): 12.678,113.21 12.678,103.835 12.684,103.776 12.701,103.72 12.729,103.668 12.766,103.622 14.722,101.666 14.768,101.629 14.82,101.601 14.876,101.584 14.935,101.578 26.848,101.578 26.907,101.584 26.963,101.601 27.015,101.629 27.061,101.666 28.712,103.317 28.749,103.363 28.777,103.415 28.794,103.472 28.8,103.53 28.8,111.023 28.8,112.677 31.138,115.015 33.251,115.015 35.868,112.397 35.868,102.413 35.874,102.354 35.891,102.297 35.919,102.245 35.956,102.2 38.674,99.482 40.288,97.868 40.288,95.146 38.852,93.711 34.178,89.037 34.141,88.991 34.113,88.939 34.096,88.883 34.09,88.824 34.09,74.252 31.95,74.252 31.95,84.125 31.95,84.811 31.944,84.869 31.927,84.926 31.899,84.978 31.862,85.024 29.093,87.792 29.047,87.83 28.995,87.858 28.939,87.875 28.88,87.881 7.364,87.881 6.296,88.949 6.296,95.402 6.296,113.058 8.38,115.142 10.746,115.142
AGND on Ground (split plane): 157 vertices, not listed, extent 17.675,12.62 79.49,59.846
PGND2 on Ground (split plane): 79.49,74.252 34.693,74.252 34.693,88.699 39.278,93.284 40.802,94.808 40.84,94.854 40.868,94.906 40.885,94.963 40.891,95.021 40.891,97.993 40.885,98.052 40.868,98.109 40.84,98.161 40.802,98.206 39.101,99.908 36.471,102.538 36.471,112.522 36.465,112.581 36.448,112.637 36.42,112.689 36.383,112.735 33.589,115.529 33.543,115.567 33.491,115.595 33.434,115.612 33.376,115.617 31.013,115.617 30.955,115.612 30.898,115.595 30.846,115.567 30.8,115.529 28.286,113.015 28.248,112.969 28.22,112.917 28.203,112.86 28.197,112.801 28.197,111.023 28.197,103.655 26.723,102.181 15.06,102.181 13.281,103.96 13.281,113.335 13.275,113.394 13.258,113.45 13.23,113.502 13.193,113.548 11.084,115.656 11.039,115.694 10.987,115.722 10.93,115.739 10.871,115.744 8.255,115.744 8.196,115.739 8.14,115.722 8.088,115.694 8.042,115.656 5.781,113.396 5.744,113.35 5.716,113.298 5.699,113.241 5.693,113.182 5.693,95.402 5.693,88.824 5.699,88.765 5.716,88.708 5.744,88.656 5.781,88.611 7.026,87.366 7.072,87.329 7.124,87.301 7.18,87.284 7.239,87.278 28.755,87.278 31.347,84.686 31.347,84.125 31.347,74.252 0.51,74.252 0.51,124.49 79.49,124.49
GND on Ground (split plane): 79.49,64.108 37.86,64.108 37.82,64.104 37.78,64.102 37.248,64.017 37.209,64.007 37.17,63.998 36.657,63.832 36.62,63.816 36.583,63.801 36.102,63.556 36.068,63.535 36.034,63.514 35.597,63.197 35.567,63.171 35.536,63.145 35.155,62.764 35.13,62.733 35.103,62.703 34.786,62.267 34.766,62.232 34.744,62.198 34.499,61.718 34.484,61.68 34.468,61.644 34.302,61.131 34.293,61.092 34.283,61.053 34.198,60.52 34.196,60.48 34.193,60.449 21.057,60.449 20.998,60.443 20.941,60.426 20.889,60.398 20.843,60.36 20.806,60.315 20.778,60.263 20.761,60.206 20.755,60.147 20.755,48.463 20.761,48.404 20.778,48.348 20.806,48.296 20.843,48.25 20.889,48.213 20.941,48.185 20.998,48.168 21.057,48.162 60.938,48.162 60.938,45.005 26.213,45.005 26.154,45 26.097,44.983 26.045,44.955 26,44.917 25.962,44.871 25.934,44.819 25.917,44.763 25.911,44.704 25.911,42.517 17.16,33.767 17.123,33.721 17.095,33.669 17.078,33.612 17.072,33.553 17.072,22.301 17.078,22.242 17.095,22.186 17.123,22.134 17.16,22.088 27.143,12.106 27.188,12.068 27.24,12.04 27.297,12.023 27.356,12.018 41.783,12.018 41.842,12.023 41.898,12.04 41.95,12.068 41.996,12.106 42.034,12.152 42.062,12.204 42.079,12.26 42.084,12.319 42.084,15.062 42.079,15.121 42.062,15.178 42.034,15.23 41.996,15.275 41.95,15.313 41.898,15.341 41.842,15.358 41.783,15.364 30.63,15.364 25.117,20.877 25.117,26.292 31.066,26.292 32.527,24.831 32.573,24.794 32.625,24.766 32.682,24.749 32.741,24.743 40.081,24.743 40.14,24.749 40.197,24.766 40.249,24.794 40.294,24.831 44.825,29.362 79.49,29.362 79.49,0.51 0.51,0.51 0.51,72.748 79.49,72.748

## Keep-outs
Keep-Out Layer:
  lines w0.5: 0,73.5 80,73.5

## Other copper
Ground (plane layer: these items are gaps in the copper):
  lines w0.6: 31.648,73.152 31.648,84.125 31.648,84.811 28.88,87.579 7.239,87.579 5.994,88.824 5.994,95.402 5.994,113.182 8.255,115.443 10.871,115.443 12.979,113.335 12.979,103.835 14.935,101.879 26.848,101.879 28.499,103.53 28.499,111.023 28.499,112.801 31.013,115.316 32.156,115.316 33.376,115.316 36.17,112.522 36.17,102.413 38.887,99.695 40.589,97.993 40.589,95.021 39.065,93.497 34.392,88.824 34.392,73.304 ; 34.871,60.686 34.332,60.147 21.057,60.147 21.057,48.463 61.239,48.463 61.239,44.704 58.09,44.704 26.213,44.704 26.213,42.393 17.374,33.553 17.374,22.301 27.356,12.319 41.783,12.319 41.783,15.062 30.505,15.062 24.816,20.752 24.816,26.594 31.191,26.594 32.741,25.044 40.081,25.044 44.933,29.896
  lines w1.5: 0,73.5 80,73.5
Power (plane layer: these items are gaps in the copper):
  lines w0.6: -0.076,88.544 21.793,88.544 ; -0.051,47.981 11.1,47.981 14.656,51.537 16.739,51.537 17.678,51.537 20.295,48.92 30.734,38.481 41.529,38.481 43.307,40.259 43.307,56.642 ; 0.025,118.974 0.025,114.681 9.627,114.681 15.164,109.144 25.197,109.144 30.683,114.63 33.985,114.63 40.665,107.95 40.665,95.072 34.138,88.544 19.583,88.544 ; 15.583,73.012 17.755,75.184 17.755,80.467 17.755,87.249 16.485,88.519 ; 16.002,51.638 16.002,60.325 15.24,61.087 11.684,61.087 9.906,62.865 9.906,70.409 11.252,71.755 24.994,71.755 26.187,70.561 26.187,68.553 34.83,59.91 ; 60.731,73.457 60.579,73.609 60.579,83.261 60.579,105.435 60.579,109.957 65.1,109.957 80.162,109.957 ; 64.541,0.051 64.541,22.25 68.758,26.467 75.971,26.467 80.01,26.467
  lines w1.5: 0,73.5 80,73.5

## Silkscreen, mask and mechanical layers (free items; w line width, h text height)
Top Overlay:
  circle w0.1: c78.511,110.007 r0.521
  circle w0.1: c78.461,98.476 r0.521
  circle w0.1: c1.194,74.498 r0.521
  circle w0.1: c1.219,86.03 r0.521
  lines w0.1: 0.584,76.733 0.584,84.252 1.778,84.252 1.778,76.733 0.584,76.733 ; 4.013,87.427 4.013,93.777 5.207,93.777 5.207,87.427 4.013,87.427 ; 13.411,115.672 18.237,115.672 18.237,116.865 13.411,116.865 13.411,115.672 ; 35.357,115.189 40.183,115.189 40.183,116.383 35.357,116.383 35.357,115.189 ; 44.856,119.228 44.856,124.054 46.05,124.054 46.05,119.228 44.856,119.228 ; 62.992,119.304 62.992,124.13 64.186,124.13 64.186,119.304 62.992,119.304 ; 69.447,104.143 69.447,108.969 70.641,108.969 70.641,104.143 69.447,104.143
  text "MOTOR 1" at 45.747,119.785 h0.6 r90
  text "MOTOR 2" at 63.857,119.759 h0.6 r90
  text "DRIVER 1" at 13.689,115.975 h0.6
  text "DRIVER 2" at 35.508,115.492 h0.6
  text "ENB" at 24.081,114.4 h0.6 r90
  text "ENB" at 2.11,112.698 h0.6 r90
  text "MS1" at 24.081,111.911 h0.6 r90
  text "1B - 1A - 2A - 2B" at 48.919,110.869 h0.6
  text "1B - 1A - 2A - 2B" at 66.877,110.869 h0.6
  text "-" at 78.184,110.212 h0.6 r270
  text "MS1" at 2.11,110.184 h0.6 r90
  text "2B" at 41.124,109.625 h0.6 r90
  text "MS2" at 24.081,109.422 h0.6 r90
  text "2B" at 19.306,107.745 h0.6 r90
  text "MS2" at 2.11,107.567 h0.6 r90
  text "2A" at 41.124,107.263 h0.6 r90
  text "MS3" at 24.106,106.882 h0.6 r90
  text "2A" at 19.306,105.383 h0.6 r90
  text "MS3" at 2.11,105.002 h0.6 r90
  text "1A" at 41.124,104.773 h0.6 r90
  text "PELTIER" at 70.248,104.599 h0.6 r90
  text "RST" at 24.106,104.392 h0.6 r90
  text "1A" at 19.306,102.894 h0.6 r90
  text "RST" at 2.135,102.538 h0.6 r90
  text "1B" at 41.124,102.208 h0.6 r90
  text "SLP" at 24.106,101.7 h0.6 r90
  text "1B" at 19.306,100.328 h0.6 r90
  text "SLP" at 2.11,99.795 h0.6 r90
  text "STEP" at 24.106,98.855 h0.6 r90
  text "+" at 78.156,98.706 h0.6 r270
  text "STEP" at 2.11,97.077 h0.6 r90
  text "DIR" at 24.081,96.696 h0.6 r90
  text "DIR" at 2.11,94.918 h0.6 r90
  text "GND" at 8.761,93.013 h0.6
  text "VDD" at 11.301,93.013 h0.6
  text "SLP2" at 13.537,93.013 h0.6
  text "ENB2" at 16.254,93.013 h0.6
  text "DIR" at 19.074,92.988 h0.6
  text "SLP1" at 21.182,92.988 h0.6
  text "ENB1" at 23.798,92.988 h0.6
  text "STEP" at 26.389,92.988 h0.6
  text "PWM" at 29.107,92.988 h0.6
  text "TO BOARD B" at 4.904,87.705 h0.6 r90
  text "+" at 0.914,86.26 h0.6 r270
  text "POWER SUPPLY" at 1.475,77.011 h0.6 r90
  text "-" at 0.892,74.703 h0.6 r270
Bottom Overlay:
  circle w0.1: c1.118,72.288 r0.521
  circle w0.1: c1.143,60.452 r0.521
  lines w0.1: 0.94,43.028 7.29,43.028 7.29,44.221 0.94,44.221 0.94,43.028 ; 1.93,71.628 9.423,71.628 9.423,72.822 1.93,72.822 1.93,71.628 ; 2.667,12.497 4.801,12.497 4.801,13.691 2.667,13.691 2.667,12.497 ; 8.433,17.983 8.433,20.269 9.627,20.269 9.627,17.983 8.433,17.983 ; 8.733,32.893 8.733,35.773 9.927,35.773 9.927,32.893 8.733,32.893 ; 9.017,24.536 9.017,28.042 10.211,28.042 10.211,24.536 9.017,24.536 ; 10.008,10.033 10.008,13.995 11.201,13.995 11.201,10.033 10.008,10.033 ; 22.657,2.21 22.657,4.343 23.851,4.343 23.851,2.21 22.657,2.21 ; 45.237,11.049 45.237,15.875 46.431,15.875 46.431,11.049 45.237,11.049 ; 51.918,2.921 51.918,8.687 53.086,8.687 53.086,2.921 51.918,2.921 ; 53.264,20.295 56.286,20.295 56.286,21.488 53.264,21.488 53.264,20.295 ; 59.563,20.32 61.493,20.32 61.493,21.488 59.563,21.488 59.563,20.32 ; 65.126,8.89 71.679,8.89 71.679,10.058 65.126,10.058 65.126,8.89
  text "+" at 1.448,72.468 h0.6 r90
  text "POWER SUPPLY" at 9.171,71.931 h0.6
  text "-" at 1.445,60.657 h0.6 r90
  text "TO BOARD B" at 7.012,43.331 h0.6
  text "PWM" at 7.241,39.219 h0.6 r90
  text "STEP" at 7.241,36.984 h0.6 r90
  text "TEST" at 9.598,35.444 h0.6 r90
  text "ENB1" at 7.241,34.393 h0.6 r90
  text "GND" at 12.575,32.002 h0.6
  text "VDD" at 15.064,32.002 h0.6
  text "fM" at 17.324,32.002 h0.6
  text "OS" at 19.915,32.002 h0.6
  text "ICG" at 22.633,32.002 h0.6
  text "SH" at 24.919,32.002 h0.6
  text "SLP1" at 7.241,31.802 h0.6 r90
  text "0" at 14.48,29.034 h0.6 r90
  text "DIR" at 7.241,28.958 h0.6 r90
  text "BOOT0" at 9.882,27.713 h0.6 r90
  text "<-B->" at 14.505,27.637 h0.6 r90
  text "ENB2" at 7.241,26.824 h0.6 r90
  text "SLP2" at 7.241,24.208 h0.6 r90
  text "1" at 14.505,23.878 h0.6 r90
  text "VDD" at 7.241,21.363 h0.6 r90
  text "SPI" at 61.241,20.649 h0.6
  text "BOOT1" at 56.034,20.623 h0.6
  text "LED" at 9.298,19.941 h0.6 r90
  text "CS2" at 63.019,19.483 h0.6 r90
  text "WUP" at 50.675,19.331 h0.6 r90
  text "GND" at 7.241,18.874 h0.6 r90
  text "0" at 57.202,18.721 h0.6 r90
  text "<-B->" at 57.228,17.426 h0.6 r90
  text "RES1" at 50.675,17.147 h0.6 r90
  text "CS1" at 63.019,16.969 h0.6 r90
  text "AUXILIAR" at 46.103,15.623 h0.6 r90
  text "RES2" at 50.675,14.657 h0.6 r90
  text "CLK" at 62.994,14.505 h0.6 r90
  text "BUTTON" at 10.873,13.667 h0.6 r90
  text "1" at 57.202,13.565 h0.6 r90
  text "I2C" at 4.472,12.825 h0.6
  text "MISO" at 62.994,12.295 h0.6 r90
  text "RES3" at 50.675,12.041 h0.6 r90
  text "GND" at 1.907,11.482 h0.6 r90
  text "MOSI" at 62.994,9.628 h0.6 r90
  text "GND" at 57.152,9.247 h0.6 r90
  text "GND" at 50.675,9.222 h0.6 r90
  text "USB (UART1)" at 71.426,9.219 h0.6
  text "VDD" at 1.881,8.993 h0.6 r90
  text "UART DATA" at 52.808,8.409 h0.6 r90
  text "GND" at 62.994,6.783 h0.6 r90
  text "SDA" at 1.907,6.555 h0.6 r90
  text "TX" at 57.152,6.428 h0.6 r90
  text "SCL" at 1.907,3.888 h0.6 r90
  text "RX" at 57.152,3.888 h0.6 r90
  text "SWD" at 22.985,2.462 h0.6 r270
  text "VDD" at 8.917,0.887 h0.6
  text "SWO" at 11.457,0.887 h0.6
  text "CLK" at 13.972,0.887 h0.6
  text "NRST" at 16.842,0.887 h0.6
  text "IO" at 18.645,0.887 h0.6
  text "GND" at 21.693,0.887 h0.6
Mechanical 1:
  circle w0.254: c51.565,46.735 r25
  circle w0.254: c51.565,46.735 r0.25
  lines w0.254: 38.13,30 cw(c38.13,33.3) 38.13,36.6 ; 38.13,30 80,30 80,36.6 38.13,36.6 ; 38.13,30 38.13,36.6 ; 38.13,56.87 cw(c38.13,60.17) 38.13,63.47 ; 38.13,56.87 80,56.87 80,63.47 38.13,63.47 ; 38.13,56.87 38.13,63.47 ; 0,0 80,0 80,125 0,125 0,0
  lines w0.3: 0,73.5 80,73.5
  lines w0.6: 49.785,46.735 51.565,46.735 ; 51.565,44.58 51.565,46.58 ; 51.565,48.735 51.565,46.735 ; 53.565,46.735 51.565,46.735

## Text inside footprints (layer, text, board x,y; h text height)
CR1: Bottom Overlay "*" at 71.401,23.352 h0.6; Mechanical 13 "*" at 70.18,22.149 h0.6